# Altium PCB MCH_MAIN.PCBDOC (part 13 of 14)
Units mil, origin at the board's own origin, x right, y up, seen from the top; angles counter-clockwise.
Board outline 7110.66 x 2894.12 mil, 6 copper layers (Top Layer, Power, MidLayer1, MidLayer4, GND, Bottom Layer), stack 61.549 mil thick; 630 components, 1085 nets, 3940 pads, 2676 vias.
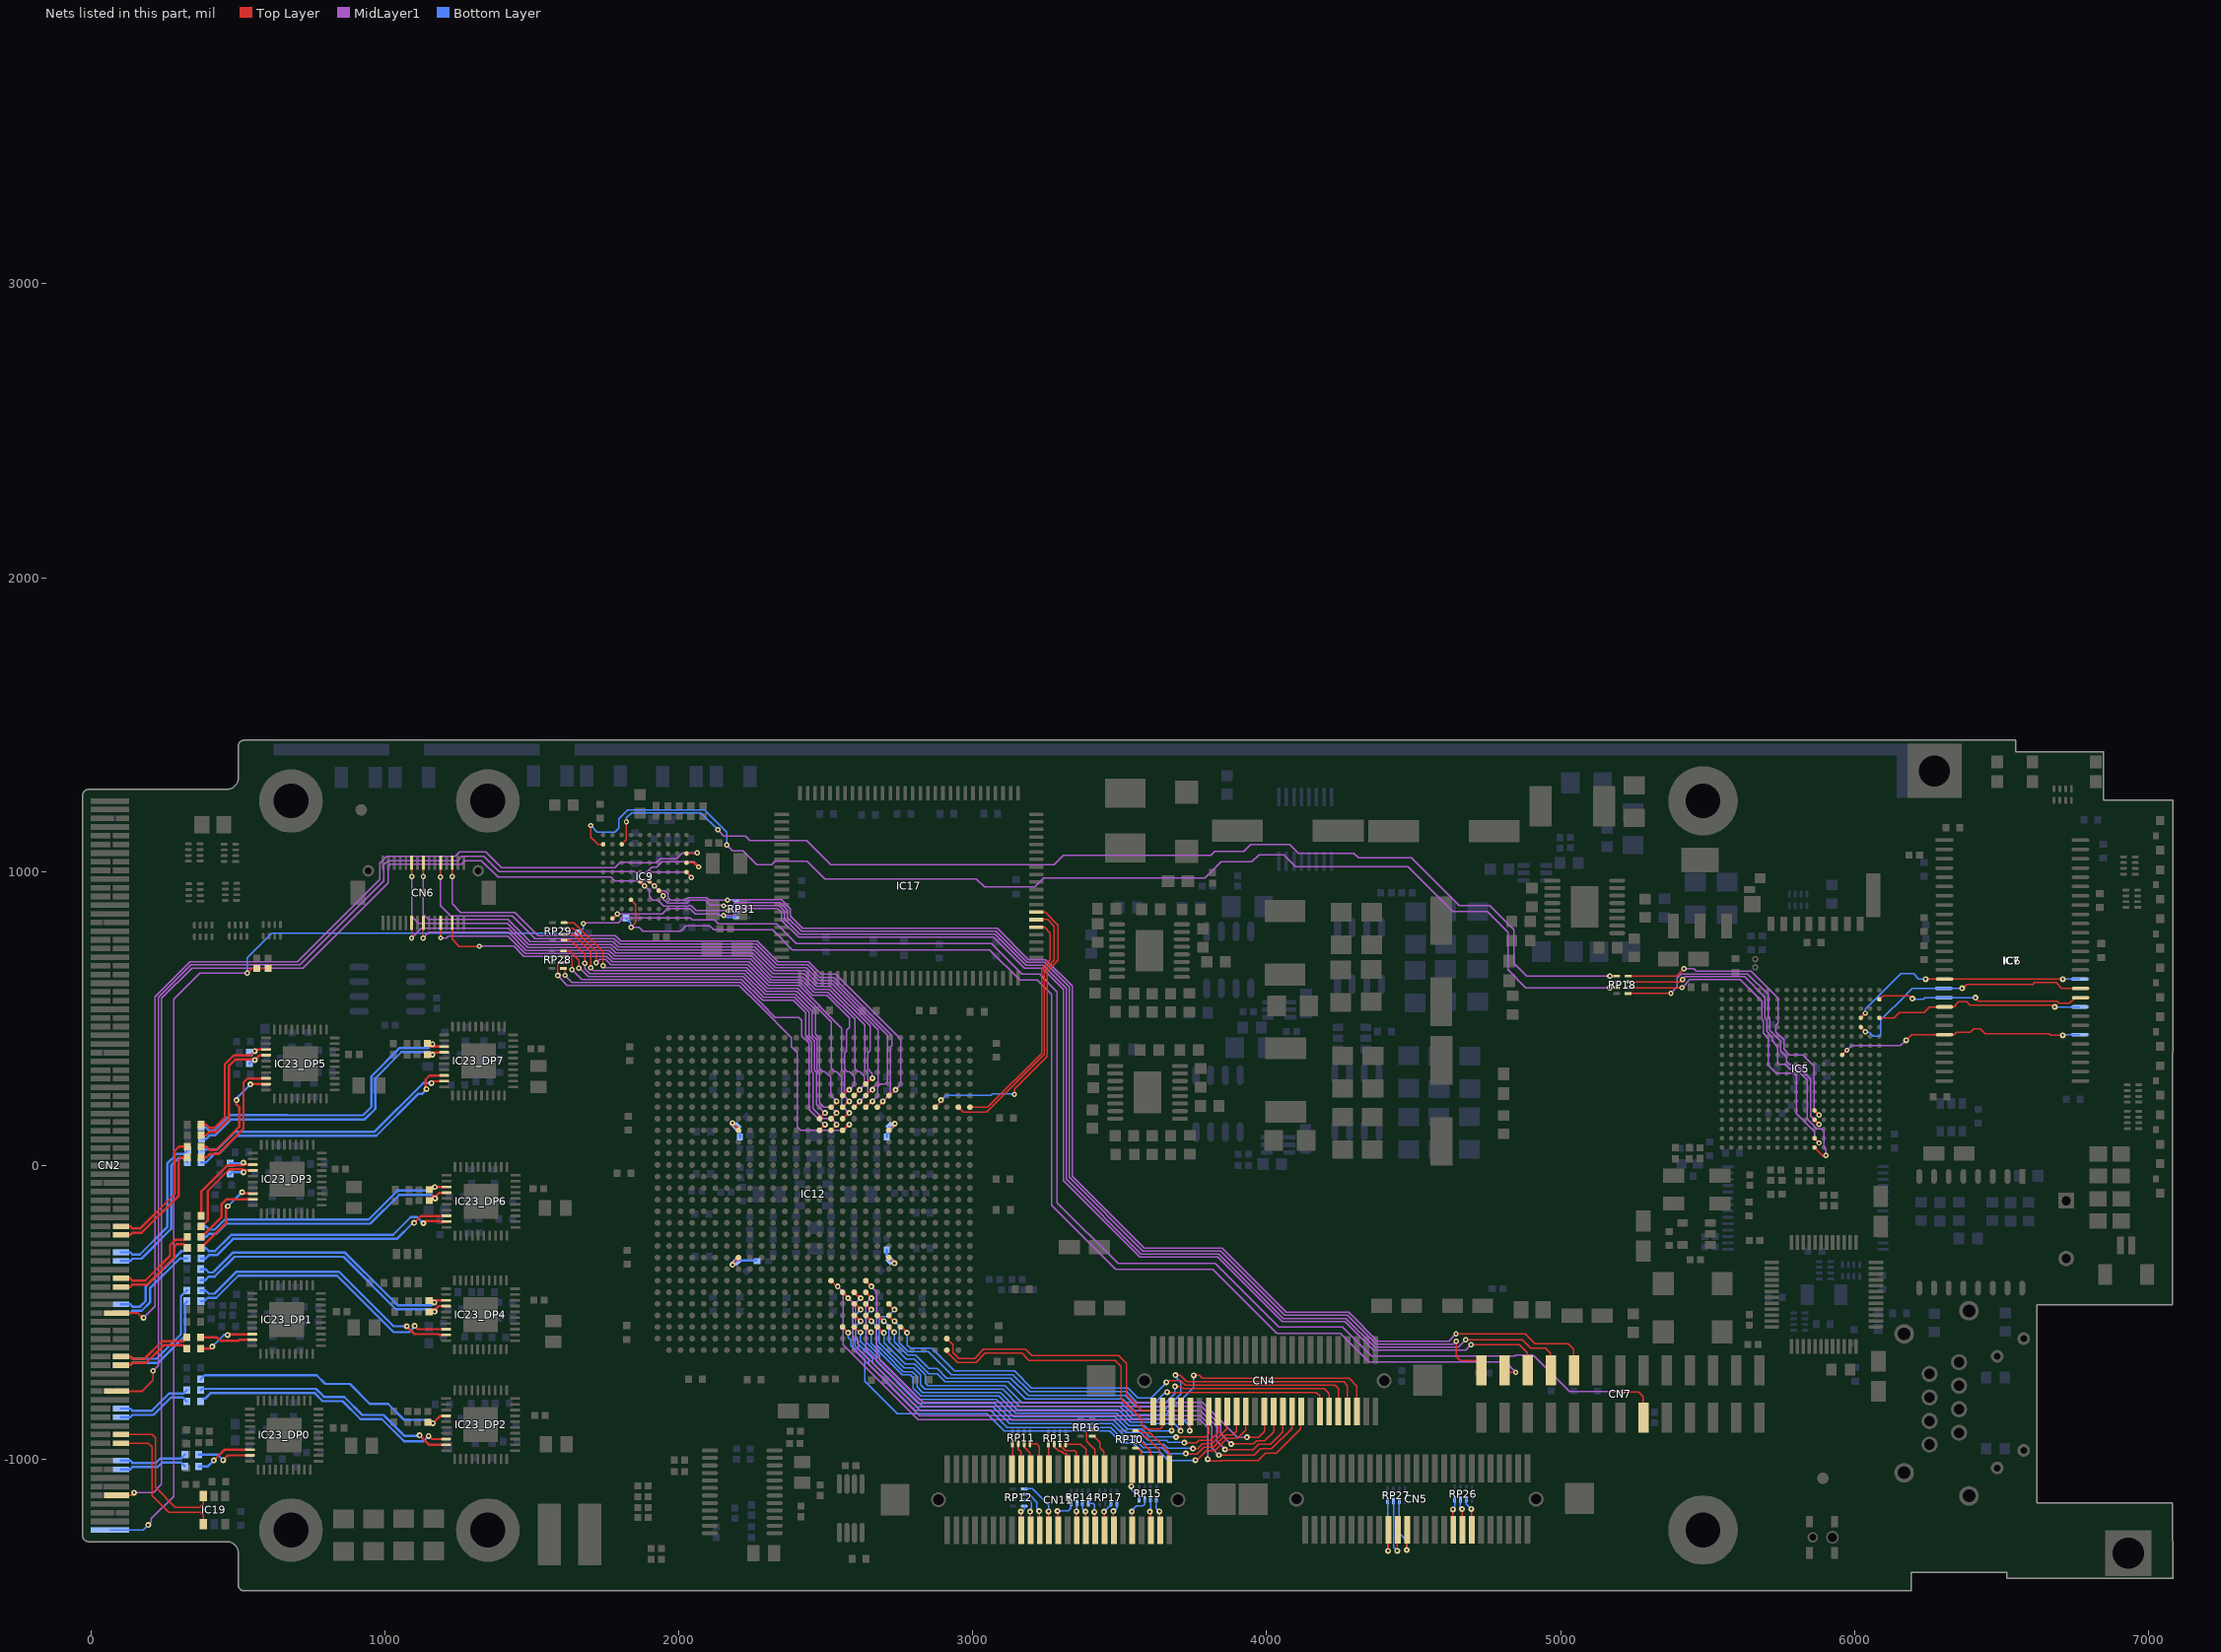
[diagram p17: the nets of this part, all layers, seen from the top]

## Via types
v1: diameter 20, hole 8, Top Layer to Bottom Layer, tented both sides, 1658 vias
v2: diameter 18, hole 8, Top Layer to Bottom Layer, tented both sides, 580 vias
v3: diameter 24, hole 10, Top Layer to Bottom Layer, tented both sides, 438 vias

## Nets (pads, with @x,y where several pads share a name; then routed paths per layer and width w, separated by ;. In a path a pad name is that pad's centre, name@x,y a point inside that pad or via, vN(x,y) a via of type N, cw(c..) or ccw(c..) an arc to the next point about the centre after c; other vN are vias at no path point) (continued)
RXI_DP2_P: C64_DP2.1 IC23_DP2.34 R18_DP2.1 | length 921.7
  Top Layer w8: v1(1164,-876.5) 1188.54,-851.96 IC23_DP2.34@1209.14,-851.96
  Bottom Layer w8: C64_DP2.1@374.02,-726.9 387.02,-713.9 396.2,-713.9 ; 392.6,-713.9 396.2,-713.9 ; 798.9,-743.1 797.73,-743.1 768.53,-713.9 396.2,-713.9 ; 798.9,-743 881.43,-743 949.13,-810.7 1011.4,-810.7 1066.2,-865.5 1153,-865.5 v1(1164,-876.5)
RXI_DP3_N: C65_DP3.1 IC23_DP3.33 R63_DP3.1 | length 341.6
  Top Layer w8: C65_DP3.1@375.62,-171.1 375.62,-89.08 465.8,1.1 516.6,1.1 519.4,3.9 550.02,3.9 IC23_DP3.33@550.54,3.39
  Bottom Layer w8: R63_DP3.1@473.72,7.9 516.8,7.9 v1(518.8,9.9)
RXI_DP3_P: C64_DP3.1 IC23_DP3.34 R18_DP3.1 | length 363.9
  Top Layer w8: C64_DP3.1@375.62,-207.1 376.96,-207.1 398,-186.06 398,-86.5 471.6,-12.9 517,-12.9 520.4,-16.3 IC23_DP3.34@550.54,-16.3
  Bottom Layer w8: R18_DP3.1@473.72,-29.1 479.92,-22.9 v1(520,-22.9)
RXI_DP4_N: C65_DP4.1 IC23_DP4.33 R63_DP4.1 | length 958.6
  Top Layer w8: R63_DP4.1@1154.81,-458.48 IC23_DP4.33@1208.06,-458.48
  Bottom Layer w8: C65_DP4.1@373.82,-352.5 389.81,-352.5 401.31,-364 415.4,-364 482.9,-296.5 865.2,-296.5 1001.4,-432.7 1043.6,-474.9 1159.8,-474.9 v1(1168.8,-465.9)
RXI_DP4_P: C64_DP4.1 IC23_DP4.34 R18_DP4.1 | length 969.8
  Top Layer w8: R18_DP4.1@1152.61,-498.68 1163.1,-488.19 1173.54,-488.19 1183.39,-478.33 1183.39,-478.16 IC23_DP4.34@1208.06,-478.16
  Bottom Layer w8: C64_DP4.1@373.82,-389.5 389.81,-389.5 401.31,-378 421.2,-378 488.7,-310.5 859.4,-310.5 1037.6,-488.7 1161.28,-488.7 v1(1169.61,-497.04)
RXI_DP5_N: C65_DP5.1 IC23_DP5.33 R63_DP5.1 | length 444.2
  Top Layer w8: C65_DP5.1@377.22,141.5 375.62,139.9 391.61,139.9 403.11,128.4 421.2,128.4 438.75,145.95 455.6,162.8 455.6,344.3 485.8,374.5 543,374.5 563.29,394.79 IC23_DP5.33@596.14,394.79
  other v1: 557.4,389.1
RXI_DP5_P: C64_DP5.1 IC23_DP5.34 R18_DP5.1 | length 466.6
  Top Layer w8: C64_DP5.1@375.62,102.9 391.61,102.9 403.11,114.4 427,114.4 469.6,157 469.6,338.5 491.6,360.5 v1@560.2,360.5 ; v1@559,359.3 v1@560.2,360.5 ; IC23_DP5.34@596.14,375.1 574.8,375.1 v1@560.2,360.5
  Bottom Layer w8: R18_DP5.1@539.77,346.58 553.49,360.3 v1@559.4,360.3
  other v1: 557.8,359.1
RXI_DP6_N: C65_DP6.1 IC23_DP6.33 R63_DP6.1 | length 915.8
  Top Layer w8: R63_DP6.1@1154.41,-75.62 1156.61,-73.41 IC23_DP6.33@1209.86,-73.41
  Bottom Layer w8: C65_DP6.1@375.62,-207.1 391.61,-207.1 402.61,-218.1 421.4,-218.1 455.6,-183.9 945,-183.9 1043.6,-85.3 1158.2,-85.3 v1(1170.4,-73.1)
RXI_DP6_P: C64_DP6.1 IC23_DP6.34 R18_DP6.1 | length 924.3
  Top Layer w8: R18_DP6.1@1154.41,-113.62 1164.9,-103.13 1175.34,-103.13 1185.19,-93.27 1185.19,-93.1 IC23_DP6.34@1209.86,-93.1
  Bottom Layer w8: C64_DP6.1@375.62,-243.1 391.61,-243.1 402.61,-232.1 427.2,-232.1 461.4,-197.9 950.8,-197.9 1049,-99.7 1159.14,-99.7 v1(1171.41,-111.97)
RXI_DP7_N: C65_DP7.1 IC23_DP7.33 R63_DP7.1 | length 1037
  Top Layer w8: R63_DP7.1@1144.72,414.9 1155.09,404.52 IC23_DP7.33@1201.74,404.52
  Bottom Layer w8: C65_DP7.1@375.62,129.9 391.61,129.9 404.11,117.4 418,117.4 471.9,171.3 666.6,171.3 667,170.9 926,170.9 954.4,199.3 954.4,303.43 1051.07,400.1 1149.87,400.1 1162.4,412.63 v1(1162.4,412.5)
RXI_DP7_P: C64_DP7.1 IC23_DP7.34 R18_DP7.1 | length 1033.2
  Top Layer w8: R18_DP7.1@1144.72,376.9 1152.66,384.84 IC23_DP7.34@1201.74,384.84
  Bottom Layer w8: C64_DP7.1@376.62,90.9 392.61,90.9 405.11,103.4 423.8,103.4 477.3,156.9 931.8,156.9 968.4,193.5 968.4,297.63 1056.87,386.1 1153.47,386.1 v1(1162.47,377.1)
SCK: IC9.A9 RP18.7 | length 4092.7
  Top Layer w5: v2(1701,1156.9) 1700,1155.9 1700,1117.9 1725.03,1092.87 IC9.A9@1743,1092.87 ; v1@5167.36,605.06 RP18.7@5190.31,605.06
  MidLayer1 w5: v2(2164,1090.9) 2184,1070.9 2219,1070.9 2266.5,1023.4 2315.95,1023.4 2327.95,1035.4 2436.3,1035.4 2496.8,974.9 3012.6,974.9 3039.6,947.9 3210.7,947.9 3241.1,978.3 3790,978.3 3845.4,1033.7 3949.7,1033.7 3973.6,1057.6 4057.6,1057.6 4098.5,1016.7 4480.1,1016.7 4632.9,863.9 4750.12,863.9 4820.5,793.52 4820.5,665.5 4881.3,604.7 v1(5167,604.7)
  Bottom Layer w5: v2(1701,1156.9) 1723,1134.9 1783,1134.9 1796,1147.9 1796,1179.9 1826.25,1210.15 2088.09,1210.15 2164,1134.23 v2(2164,1090.9)
SDA10: IC5.E8 IC6.22 IC7.22 | length 855.8
  Top Layer w5: v1@6171.79,430.47 6178.79,430.47 6193.52,445.2 6338,445.2 6346,453.21 6393.18,453.21 6404.67,464.7 6428,464.7 6444.6,448.1 6661.55,448.1 6666.36,443.29 v1@6708.08,443.29
  Top Layer w8: IC5.E8@5958.06,376.37 v2(5973.81,392.11)
  MidLayer1 w5: v2(5973.81,392.11) 5989.4,407.7 6077.96,407.7 6078.04,407.62 6156.12,407.62 6170,421.5 v1@6170,428.7
  Bottom Layer w5: v1(6708.29,442.7) 6710.79,445.2 IC7.22@6765.85,445.2
  other v1: 6175.6,426.4
SDCK: IC5.C5 IC6.38 IC7.38 | length 878.5
  Top Layer w5: v1@6367.53,602.74 6367.53,600.77 6382.55,615.79 6606.09,615.79 6612.48,622.18 6684.72,622.18 6704.22,602.68 IC6.38@6768.84,602.68
  Top Layer w8: IC5.C5@6021.05,470.85 v2(6037,454.9)
  Bottom Layer w5: v2@6042.85,453.05 6049.93,453.05 6063.08,439.9 6084,439.9 6089,444.9 6089,494.9 6177.34,583.24 6177.34,583.56 6196.28,602.5 6267,602.5 6267.2,602.3 ; 6263.14,602.68 IC7.38@6302.86,602.68 6304.48,602.68 6304.54,602.74 v1(6365.56,602.74)
  Bottom Layer w8: v2(6037,454.9) 6038.85,453.05 v2@6042.85,453.05
SDCKE: IC5.A2 IC6.37 IC7.37 | length 717
  Top Layer w5: IC5.A2@6084.05,565.34 6096.6,577.9 6185.95,577.9 6194.47,569.37 v1(6196.2,567.64) ; v1@6410.84,569.27 6420.92,559.19 6688.65,559.19 6696.1,551.74 6731.52,551.74 6750.96,571.19 IC6.37@6768.84,571.19
  Bottom Layer w5: v1@6199.75,571.19 v1(6196.2,567.64) 6197.55,566.3 6234.2,566.3 6239,571.1 ; 6239.09,571.19 IC7.37@6302.86,571.19 v1(6410.84,571.24)
SDCS: IC5.A4 IC6.19 IC7.19 | length 722.1
  Top Layer w5: IC5.A4@6084.05,502.35 6084.1,502.4 6134.5,502.4 6153,520.9 6236.48,520.9 6255.27,539.69 IC6.19@6305.85,539.69 6336.76,539.69 6353.75,556.68 6381.33,556.68 6392.83,545.19 6675.08,545.19 v1(6680.58,539.69)
  Bottom Layer w5: v1(6680.58,539.69) IC7.19@6765.85,539.69 IC7.19@6755.27,537.72
SDWE: IC5.C4 IC6.16 IC7.16 | length 831.9
  Top Layer w5: v1(6241.55,634.23) IC6.16@6305.85,634.18 ; IC6.16@6306.51,632.26 6306.51,634.23 v1(6708.08,634.23)
  Top Layer w8: IC5.C4@6021.05,502.35 v2(6036.8,518.1)
  Bottom Layer w5: v2(6036.8,518.1) 6036.8,532.7 6156.5,652.4 6200.25,652.4 6217.95,634.7 v1@6241.4,634.7 ; v1@6700.15,634.18 IC7.16@6765.85,634.18
SMI_RX0: CN6.6 IC12.F17 | length 1831.4
  Top Layer w5: CN6.6@1229.43,825.54 1229.43,769.47 1253.3,745.6 1321.6,745.6 v2(1321.9,745.9) ; IC12.F17@2557.47,237.95 2577.07,257.56 v1(2580.02,257.56)
  MidLayer1 w5: v2@1323,746 1439.19,746 1473.29,711.9 1755.01,711.9 1774.01,692.9 2239.01,692.9 2310.01,621.9 2413.86,621.9 2455.96,579.8 2503.25,579.8 2580.9,502.15 2580.9,470.24 2570.96,460.3 2570.96,389.94 2563.52,382.5 2563.52,329.46 2573.19,319.8 2580.49,319.8 2597.52,302.76 2597.52,275.06 v1(2580.02,257.56)
  Bottom Layer w5: v1@2580.6,257.29 2581.86,258.54 v1@2585.93,258.54
SMI_RX1: CN6.10 IC12.F18 | length 1933.2
  Top Layer w5: CN6.10@1190.06,825.54 1190.1,825.49 v2(1190.1,774.4) ; v1@2612.51,253.62 IC12.F18@2596.84,237.95 v1@2615.46,256.57
  MidLayer1 w5: v2(1190.1,774.4) 1210.1,774.4 1216.7,781 1287.2,781 ; 1247.94,781 1287.2,781 ; v1(2615.46,257.56) 2628.4,270.5 2628.6,270.5 2631.96,273.86 2631.96,303.76 2615.92,319.8 2608.62,319.8 2598.96,329.46 2598.96,498.23 2507.39,589.8 2460.1,589.8 2418,631.9 2314.15,631.9 2243.15,702.9 1778.15,702.9 1759.15,721.9 1477.43,721.9 1418.33,781 1287.2,781
SMI_RX2: CN6.16 IC12.G18 | length 1995.4
  Top Layer w5: v2(1130,773.4) 1131,774.4 CN6.16@1131,825.54 ; IC12.G18@2596.84,198.58 v1@2615.46,217.2
  MidLayer1 w5: v2(1130,773.4) 1149.5,792.9 1420.57,792.9 1481.57,731.9 1763.29,731.9 1782.29,712.9 2247.29,712.9 2318.29,641.9 2422.14,641.9 2464.24,599.8 2511.53,599.8 2633.26,478.07 2633.26,325.73 2642.26,316.73 2642.26,244.99 v1(2615.46,218.19)
SMI_RX3: CN6.20 IC12.E19 | length 1978.9
  Top Layer w5: v2(1091.2,773.7) 1091.63,774.13 CN6.20@1091.63,825.54 ; IC12.E19@2636.21,277.32 v1@2655.81,296.93
  MidLayer1 w5: v2(1091.2,773.7) 1124.4,806.9 1420.72,806.9 1485.72,741.9 1767.43,741.9 1786.43,722.9 2251.43,722.9 2321.52,652.81 2425.37,652.81 2468.38,609.8 2515.68,609.8 2650.83,474.64 2650.83,391.07 2642.26,382.5 2642.26,329.46 2658.76,312.96 v1(2658.76,296.93)
SMI_RX4: CN6.5 IC12.F21 | length 2063.2
  Top Layer w5: v2(1229.2,983.3) 1229.43,983.53 CN6.5@1229.43,1030.26 ; IC12.F21@2718.75,237.95 v1@2737.93,257.13
  MidLayer1 w5: v2(1229.2,983.3) 1229.2,890.5 1258.2,861.5 1442.1,861.5 1521.7,781.9 1784,781.9 1803,762.9 2268,762.9 2338.09,692.81 2441.94,692.81 2483.35,651.4 2533.5,651.4 2755,429.9 2755,275.05 v1(2737.51,257.56)
SMI_RX5: CN6.9 IC12.G20 | length 2128.8
  Top Layer w5: v2(1189.7,982.1) 1190.06,982.46 CN6.9@1190.06,1030.26 ; IC12.G20@2675.58,198.58 v1@2694.2,217.2
  MidLayer1 w5: v2(1189.7,982.1) 1189.7,883.9 1224.7,848.9 1434,848.9 1477,805.9 1489.75,793.15 1511,771.9 1779.86,771.9 1798.86,752.9 2263.86,752.9 2333.95,682.81 2437.8,682.81 2480.71,639.9 2528,639.9 2725.6,442.3 2725.6,407.7 2720.8,402.9 2720.8,244.79 v1(2694.2,218.19)
SMI_RX6: CN6.15 IC12.G19 | length 2222.4
  Top Layer w5: CN6.15@1131,1030.26 1131,982.8 v2(1131.2,982.6) ; IC12.G19@2636.21,198.58 2655.81,218.19 v1(2658.76,218.19)
  MidLayer1 w5: 1131,918.9 1131,914.8 ; v2(1131.2,982.6) 1131,982.4 1131,914.8 ; v1(2658.76,218.19) 2675.7,235.12 2675.7,266.4 2687.3,278 2703.5,278 2710.7,285.2 2710.7,422.8 2710.8,422.9 2710.8,442.96 2523.96,629.8 2476.67,629.8 2433.66,672.81 2329.81,672.81 2259.72,742.9 1794.72,742.9 1775.72,761.9 1494,761.9 1419,836.9 1149,836.9 1131,854.9 1131,914.8
  Bottom Layer w5: v1@2659.34,217.92 2660.6,219.17 v1@2664.67,219.17
SMI_RX7: CN6.19 IC12.F19 | length 2204.6
  Top Layer w5: v2(1091.5,982.6) 1091.63,982.73 CN6.19@1091.63,1030.26 ; v1@2655.54,257.29 IC12.F19@2636.21,237.95 2655.81,257.56 v1(2658.76,257.56)
  MidLayer1 w5: v2(1091.5,982.6) 1091.5,847.9 1115.5,823.9 1417.86,823.9 1489.86,751.9 1771.57,751.9 1790.57,732.9 2255.57,732.9 2325.66,662.81 2429.52,662.81 2472.52,619.8 2519.82,619.8 2677.7,461.92 2677.7,281.13 2658.76,262.19 v1(2658.76,257.56)
  Bottom Layer w5: v1@2659.34,257.29 2660.6,258.54 v1@2664.67,258.54
SMI_TX0: IC12.H15 RP28.4 | length 1328.4
  Top Layer w5: RP28.4@1608.08,730.03 1629,730.03 1661,698.03 v2(1661,671.9) ; IC12.H15@2478.73,159.21 v1@2497.35,177.83
  MidLayer1 w5: v2(1661,671.9) 1663,671.9 1692,642.9 1727.06,642.9 2218.29,642.9 2289.29,571.9 2393.15,571.9 2443,522.05 2443,441.76 2461.44,423.31 2461.44,323.41 2467.93,316.93 2467.93,208.24 v1(2497.35,178.82)
SMI_TX1: IC12.J16 RP28.3 | length 1386.8
  Top Layer w5: RP28.3@1608.08,710.34 1627,710.34 1637,700.34 v2(1637,665.9) ; IC12.J16@2518.1,119.84 v1@2536.72,138.46
  MidLayer1 w5: v2(1637,665.9) 1670,632.9 2214.15,632.9 2285.15,561.9 2389,561.9 2431,519.9 2431,441.03 2452.44,419.58 2452.44,319.68 2456.26,315.86 2456.26,193.84 2489.7,160.4 2518.3,160.4 v1@2536.72,141.98
  other v1: 2536.72,139.45
SMI_TX2: IC12.J17 RP28.2 | length 1472.6
  Top Layer w5: v1(1588.6,646.7) 1588.03,647.27 1588.03,686.2 1592.48,690.66 RP28.2@1608.08,690.66 ; IC12.J17@2557.47,119.84 v1@2577.07,139.45
  MidLayer1 w5: v1@1589.2,644.5 1620.8,612.9 2205.87,612.9 2276.87,541.9 2383.49,435.28 2383.49,405.11 2403.5,385.1 2403.5,130.8 2414.8,119.5 2560.08,119.5 v1(2580.02,139.45)
SMI_TX3: IC12.J15 RP28.1 | length 1308.5
  Top Layer w5: RP28.1@1608.08,670.97 1613,666.06 v2(1613,646.9) ; IC12.J15@2478.73,119.84 v1@2497.35,138.46
  MidLayer1 w5: v2(1613,646.9) 1637,622.9 2210.01,622.9 2281.01,551.9 2328.51,504.4 2407.83,504.4 2419,493.23 2419,440.3 2443.44,415.86 2443.44,190.66 2493.65,140.45 v1@2496.35,140.45
  other v1: 2497.35,139.45
SMI_TX4: IC12.H17 RP29.8 | length 1444.7
  Top Layer w5: RP29.8@1610.71,825.4 RP29.8@1610.09,826.03 1643.87,826.03 1742,727.9 v2(1742,679.9) ; IC12.H17@2557.47,159.21 v1@2577.07,178.82
  MidLayer1 w5: v2(1742,679.9) 1749,672.9 2230.72,672.9 2301.72,601.9 2405.57,601.9 2518.81,488.66 2518.81,330.87 2529.88,319.8 2537.18,319.8 2554.4,302.58 2554.4,204.44 v1(2580.02,178.82)
SMI_TX5: IC12.G17 RP29.7 | length 1404.4
  Top Layer w5: RP29.7@1610.09,806.34 1640.56,806.34 1719,727.9 v2(1719,689.9) ; IC12.G17@2557.47,198.58 v1@2577.07,218.19
  MidLayer1 w5: v2(1719,689.9) 1731,701.9 1750.86,701.9 1769.86,682.9 2234.86,682.9 2305.86,611.9 2409.71,611.9 2554.52,467.09 2554.52,325.73 2563.52,316.73 2563.52,234.69 v1(2580.02,218.19)
SMI_TX6: IC12.G16 RP29.6 | length 1364.6
  Top Layer w5: RP29.6@1610.09,786.66 1641.54,786.66 1701,727.2 v2(1701,672.9) ; IC12.G16@2518.1,198.58 v1@2536.72,217.2
  MidLayer1 w5: v2(1701,672.9) 1711,662.9 2226.58,662.9 2297.58,591.9 2401.43,591.9 2465,528.33 2465,446.9 2479.44,432.46 2479.44,330.87 2490.51,319.8 2497.81,319.8 2516.6,301.01 2516.6,240.3 2524.4,232.5 ; 2524.4,232.1 2524.4,232.5 ; v1(2536.72,218.19) 2536.72,220.18 2524.4,232.5
SMI_TX7: IC12.H16 RP29.5 | length 1407.7
  Top Layer w5: RP29.5@1610.09,766.97 1632.03,766.97 1666.05,732.95 ; 1676.1,722.9 1666.05,732.95 ; v2(1680,687.9) 1680,719 1666.05,732.95 ; IC12.H16@2518.1,159.21 v1@2536.72,177.83
  MidLayer1 w5: v2(1680,687.9) 1680,669.9 1697,652.9 2222.44,652.9 2293.44,581.9 2397.29,581.9 2454,525.19 2454,444.1 2470.44,427.66 2470.44,327.14 2479.44,318.14 2479.44,212.76 2493.3,198.9 2516.63,198.9 v1(2536.72,178.82)
SPI_CS: IC9.C9 RP18.5 | length 3824.1
  Top Layer w5: IC9.C9@1805.99,1092.87 1821.37,1108.24 v2@1821.37,1169.27 ; v1@5167.57,644.43 RP18.5@5190.31,644.43
  MidLayer1 w5: v2(2133,1141.9) 2153.5,1121.4 2227.5,1121.4 2243,1105.9 2435.37,1105.9 2517.54,1023.73 3277.3,1023.73 3308.47,1054.9 3809.6,1054.9 3824.1,1069.4 3923,1069.4 3946.4,1092.8 4078.3,1092.8 4108.3,1062.8 4295.55,1062.8 4312.15,1046.2 4492,1046.2 4654.3,883.9 4758.41,883.9 4840.5,801.81 4840.5,688.9 4884.9,644.5 v1(5167.5,644.5)
  Bottom Layer w5: v2(1822,1169.9) 1822,1181.9 1840.25,1200.15 2074.75,1200.15 v2(2133,1141.9)
TX_DP0_N: C63_DP0.2 CN2.162 | length 232.2
  Bottom Layer w8: CN2.162@102.37,-1003.96 134.01,-1003.96 141.77,-1011.72 221.58,-1011.72 236.8,-996.5 306.98,-996.5 C63_DP0.2@319.78,-983.7
TX_DP0_P: C132_DP0.2 CN2.163 | length 232.2
  Bottom Layer w8: CN2.163@102.37,-1033.48 134.01,-1033.48 141.77,-1025.72 227.38,-1025.72 242.6,-1010.5 306.98,-1010.5 C132_DP0.2@319.78,-1023.3
TX_DP1_N: C63_DP1.2 CN2.21 | length 267.8
  Top Layer w8: CN2.21@102.37,-649.63 134.01,-649.63 141.77,-657.39 182.31,-657.39 242,-597.7 313.38,-597.7 C63_DP1.2@326.18,-584.9 C63_DP1.2@318.6,-592.48
TX_DP1_P: C132_DP1.2 CN2.20 | length 256.4
  Top Layer w8: CN2.20@102.37,-679.15 134.01,-679.15 141.77,-671.39 188.11,-671.39 247.8,-611.7 314.98,-611.7 C132_DP1.2@326.18,-622.9
TX_DP2_N: C63_DP2.2 CN2.156 | length 256.9
  Bottom Layer w8: CN2.156@102.37,-826.79 134.01,-826.79 141.77,-834.56 207.74,-834.56 267.2,-775.1 315.58,-775.1 C63_DP2.2@326.78,-763.9
TX_DP2_P: C132_DP2.2 CN2.157 | length 258
  Bottom Layer w8: CN2.157@102.37,-856.32 134.01,-856.32 141.77,-848.56 213.54,-848.56 273,-789.1 312.98,-789.1 C132_DP2.2@326.78,-802.9
TX_DP3_N: C63_DP3.2 CN2.30 | length 312.1
  Top Layer w8: CN2.30@102.37,-383.88 134.01,-383.88 141.77,-391.64 184.8,-391.64 269.7,-306.74 269.7,-271 287.6,-253.1 317.38,-253.1 C63_DP3.2@328.38,-242.1
TX_DP3_P: C132_DP3.2 CN2.29 | length 312.9
  Top Layer w8: CN2.29@102.37,-413.41 134.01,-413.41 141.77,-405.64 190.6,-405.64 283.7,-312.54 283.7,-276.8 293.4,-267.1 315.38,-267.1 C132_DP3.2@328.38,-280.1
TX_DP4_N: C63_DP4.2 CN2.150 | length 423.8
  Bottom Layer w8: CN2.150@102.37,-649.63 134.01,-649.63 141.77,-657.39 223.51,-657.39 306.37,-574.53 306.37,-493.3 ; 306.37,-469.7 306.37,-493.3 ; C63_DP4.2@327.18,-425.3 325.84,-425.3 306.37,-444.78 306.37,-493.3
TX_DP4_P: C132_DP4.2 CN2.151 | length 380.8
  Bottom Layer w8: CN2.151@102.37,-679.15 134.01,-679.15 141.77,-671.39 229.31,-671.39 320.37,-580.33 320.37,-469.7 327.18,-462.89 C132_DP4.2@327.18,-461.3
TX_DP5_N: C63_DP5.2 CN2.36 | length 430.8
  Top Layer w8: CN2.36@102.37,-206.71 134.01,-206.71 141.77,-214.48 167.6,-214.48 285.4,-96.68 285.4,49.9 300.4,64.9 C63_DP5.2@328.38,64.9
TX_DP5_P: C132_DP5.2 CN2.35 | length 409.4
  Top Layer w8: CN2.35@102.37,-236.24 134.01,-236.24 141.77,-228.48 173.4,-228.48 299.4,-102.48 299.4,20.1 306.2,26.9 C132_DP5.2@328.38,26.9 C132_DP5.2@328.38,24.28
TX_DP6_N: C63_DP6.2 CN2.144 | length 339.5
  Bottom Layer w8: CN2.144@102.37,-472.46 134.01,-472.46 141.77,-480.22 167.6,-480.22 187.2,-460.62 187.2,-412.1 307.7,-291.6 315.88,-291.6 C63_DP6.2@327.38,-280.1
TX_DP6_P: C132_DP6.2 CN2.145 | length 330.4
  Bottom Layer w8: CN2.145@102.37,-501.99 134.01,-501.99 141.77,-494.22 173.4,-494.22 201.2,-466.42 201.2,-417.9 303,-316.1 325.64,-316.1 C132_DP6.2@327.38,-316.1
TX_DP7_N: C63_DP7.2 CN2.138@102.37,-295.3 | length 504
  Bottom Layer w8: CN2.138@102.37,-295.3 134.01,-295.3 141.77,-303.06 166.44,-303.06 260,-209.5 260,6.9 292.4,39.3 316.78,39.3 C63_DP7.2@329.38,51.9
TX_DP7_P: C132_DP7.2 CN2.139 | length 513.3
  Bottom Layer w8: CN2.139@102.37,-324.82 134.01,-324.82 141.77,-317.06 172.24,-317.06 274,-215.3 274,1.1 298.2,25.3 ; 307.57,24.9 298.6,24.9 298.2,25.3 ; C132_DP7.2@328.38,10.9 313.98,25.3 298.2,25.3
TXFUA+: CN2.11 IC19.4 | length 507.8
  Top Layer w5: CN2.11@102.37,-944.9 195.4,-944.9 207.6,-957.1 207.6,-1122.3 265.2,-1179.9 372.4,-1179.9 382.6,-1190.1 IC19.4@382.6,-1219.34
TXFUA-: CN2.12 IC19.3 | length 512.1
  Top Layer w5: CN2.12@102.37,-915.37 208.67,-915.37 220.2,-926.9 220.2,-1094.7 288,-1162.5 371.6,-1162.5 382.6,-1151.5 IC19.3@382.6,-1124.86
TXI_DP0_N: C63_DP0.1 IC23_DP0.39 | length 195.5
  Top Layer w8: v1(450,-1002.3) 466.17,-986.13 520.6,-986.13 ; 513.77,-986.13 520.6,-986.13 ; IC23_DP0.39@540.89,-986.3 541.06,-986.13 520.6,-986.13
  Bottom Layer w8: C63_DP0.1@367.02,-983.7 431.4,-983.7 v1(450,-1002.3)
TXI_DP0_P: C132_DP0.1 IC23_DP0.38 | length 198.4
  Top Layer w8: v1@417.8,-1003.9 455.26,-966.44 IC23_DP0.38@541.06,-966.44
  Bottom Layer w8: C132_DP0.1@367.02,-1023.3 398.6,-1023.3 v1(418.4,-1003.5)
TXI_DP1_N: C63_DP1.1 IC23_DP1.39 | length 181.6
  Top Layer w8: C63_DP1.1@373.42,-584.9 429.2,-584.9 440.6,-596.3 485.2,-596.3 502.6,-596.3 505.37,-593.53 548.86,-593.53 IC23_DP1.39@548.69,-593.7
TXI_DP1_P: C132_DP1.1 IC23_DP1.38 | length 195.8
  Top Layer w8: C132_DP1.1@373.42,-622.9 406.6,-622.9 v1(413.2,-616.3) ; v1(465,-576.3) 467.46,-573.84 IC23_DP1.38@548.86,-573.84
  Bottom Layer w8: v1(413.2,-616.3) 453.2,-576.3 v1(465,-576.3)
TXI_DP2_N: C63_DP2.1 IC23_DP2.39 | length 917.5
  Top Layer w8: v1(1118.4,-917.7) 1118.4,-917.78 1151,-950.39 1209.14,-950.39 IC23_DP2.39@1208.96,-950.56
  Bottom Layer w8: C63_DP2.1@374.02,-763.9 378.22,-759.7 766.4,-759.7 794.2,-787.5 862.4,-787.5 923.6,-848.7 995.8,-848.7 1066.4,-919.3 1116.8,-919.3 v1(1118.4,-917.7)
TXI_DP2_P: C132_DP2.1 IC23_DP2.38 | length 913.7
  Top Layer w8: v1(1149,-920.1) 1149,-919.9 1149.6,-919.3 1161,-930.7 IC23_DP2.38@1209.14,-930.7
  Bottom Layer w8: C132_DP2.1@384.02,-792.9 389,-792.9 408.2,-773.7 760.6,-773.7 788.4,-801.5 856.6,-801.5 917.8,-862.7 990,-862.7 1065,-937.7 1131.2,-937.7 1149,-919.9 v1(1149,-920.1)
TXI_DP3_N: C63_DP3.1 IC23_DP3.39 | length 253.6
  Top Layer w8: C63_DP3.1@375.62,-242.1 378.27,-242.1 445.36,-175.01 445.36,-131.26 461.89,-114.73 501.34,-114.73 550.54,-114.73 IC23_DP3.39@550.36,-114.9
TXI_DP3_P: C132_DP3.1 IC23_DP3.38 | length 280.5
  Top Layer w8: C132_DP3.1@375.62,-280.1 459.36,-196.36 459.36,-145.54 v1(466.4,-138.5) ; v1@512.8,-87.1 520.74,-95.04 IC23_DP3.38@550.54,-95.04
  Bottom Layer w8: v1(466.4,-138.5) 466.67,-138.5 v1@509.07,-96.1
  other v1: 514.8,-90.9
TXI_DP4_N: C63_DP4.1 IC23_DP4.39 | length 964.5
  Top Layer w8: v1(1074.8,-546.9) 1074.8,-546.98 1101.5,-573.68 1182.28,-573.68 1185.36,-576.76 1207.89,-576.76 IC23_DP4.39@1208.06,-576.59
  Bottom Layer w8: C63_DP4.1@380,-425.3 C63_DP4.1@374.42,-425.3 390.41,-425.3 401.41,-436.3 420.4,-436.3 495.8,-360.9 843.8,-360.9 1029.8,-546.9 v1(1074.8,-546.9)
TXI_DP4_P: C132_DP4.1 IC23_DP4.38 | length 989
  Top Layer w8: v1(1101.8,-545.7) 1113,-556.9 IC23_DP4.38@1208.06,-556.9
  Bottom Layer w8: C132_DP4.1@374.42,-461.3 385.84,-461.3 396.84,-450.3 426.2,-450.3 501.6,-374.9 838,-374.9 1010.6,-547.5 ; 1028.4,-565.3 1010.6,-547.5 ; v1(1101.8,-545.7) 1101.8,-548.18 1083.08,-566.9 1030,-566.9 1010.6,-547.5
TXI_DP5_N: C63_DP5.1 IC23_DP5.39 | length 389.4
  Top Layer w8: C63_DP5.1@375.62,64.9 391.61,64.9 403.61,52.9 426.47,52.9 505.4,131.83 505.4,154.69 505.4,197.9 495.6,207.7 v1(495.6,222.3) ; v1(542.97,275.87) 542.97,276.67 596.14,276.67 IC23_DP5.39@595.96,276.5